# Altium PCB E17-15-Charge_Cart.PcbDoc
Units mil, origin at the board's own origin, x right, y up, seen from the top; angles counter-clockwise.
Board outline 3970 x 3255 mil, 2 copper layers (Top Layer, Bottom Layer); 54 components, 43 nets, 256 pads, 46 vias.
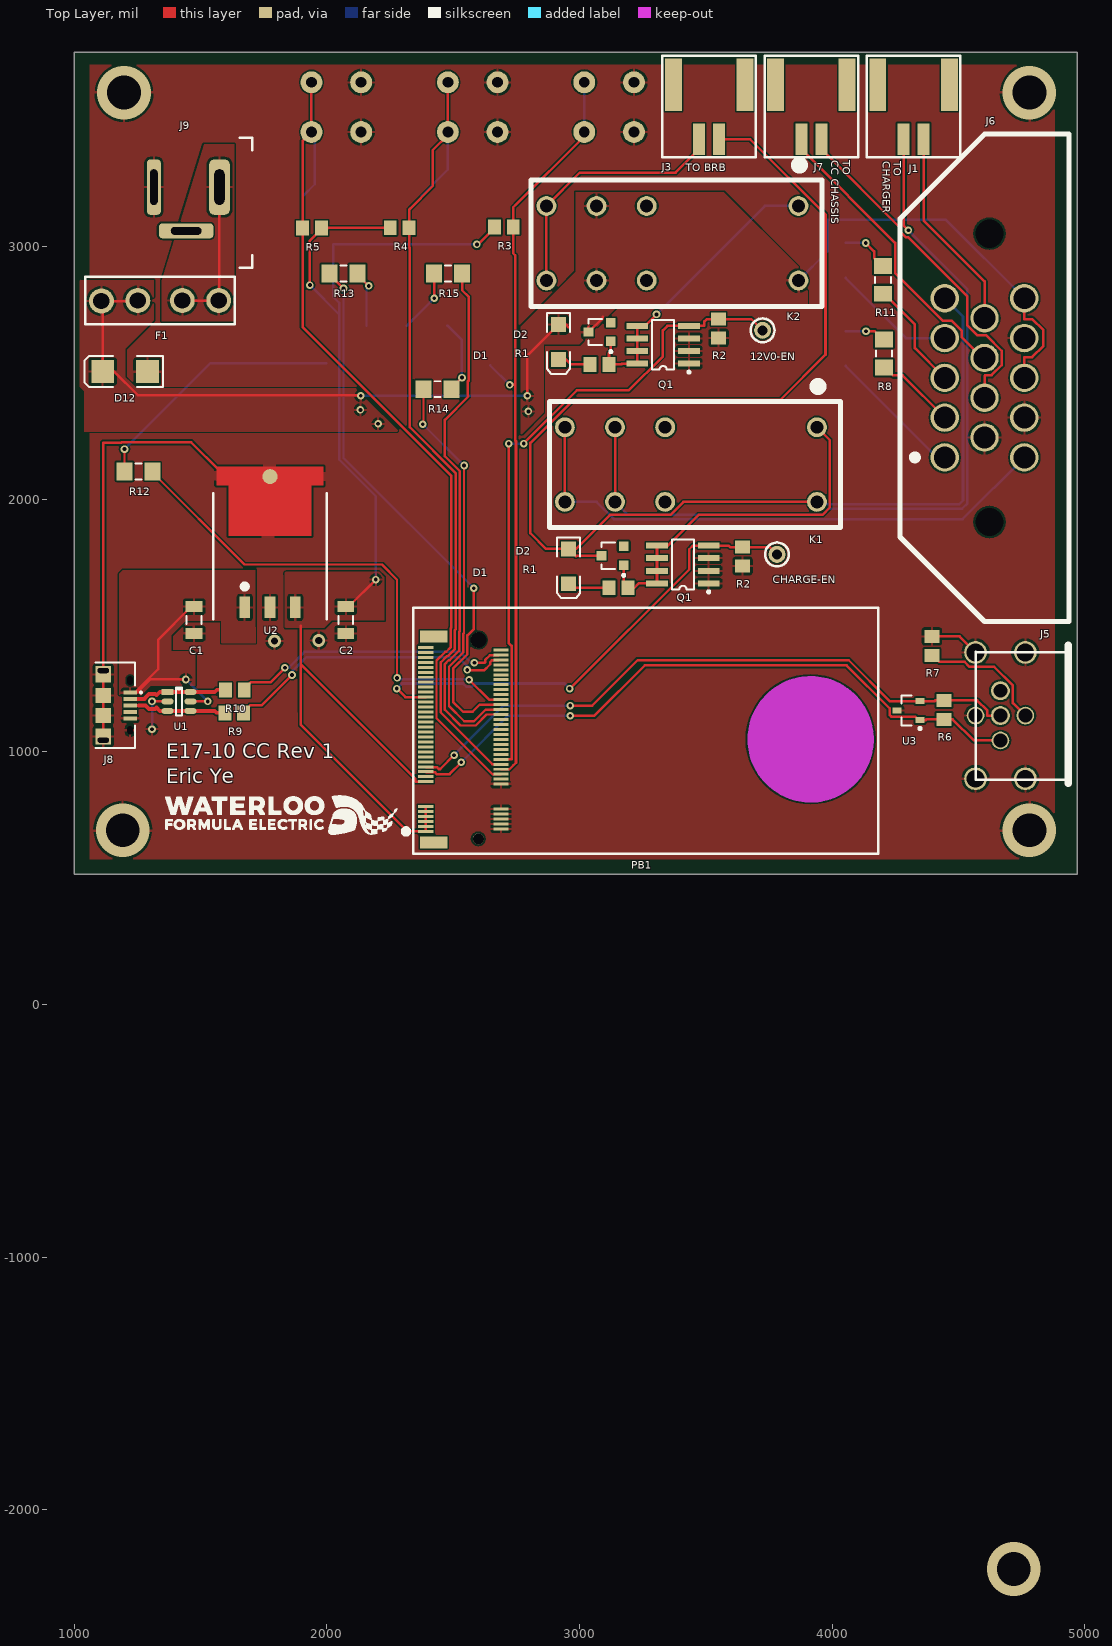
[diagram p0: Top Layer view]
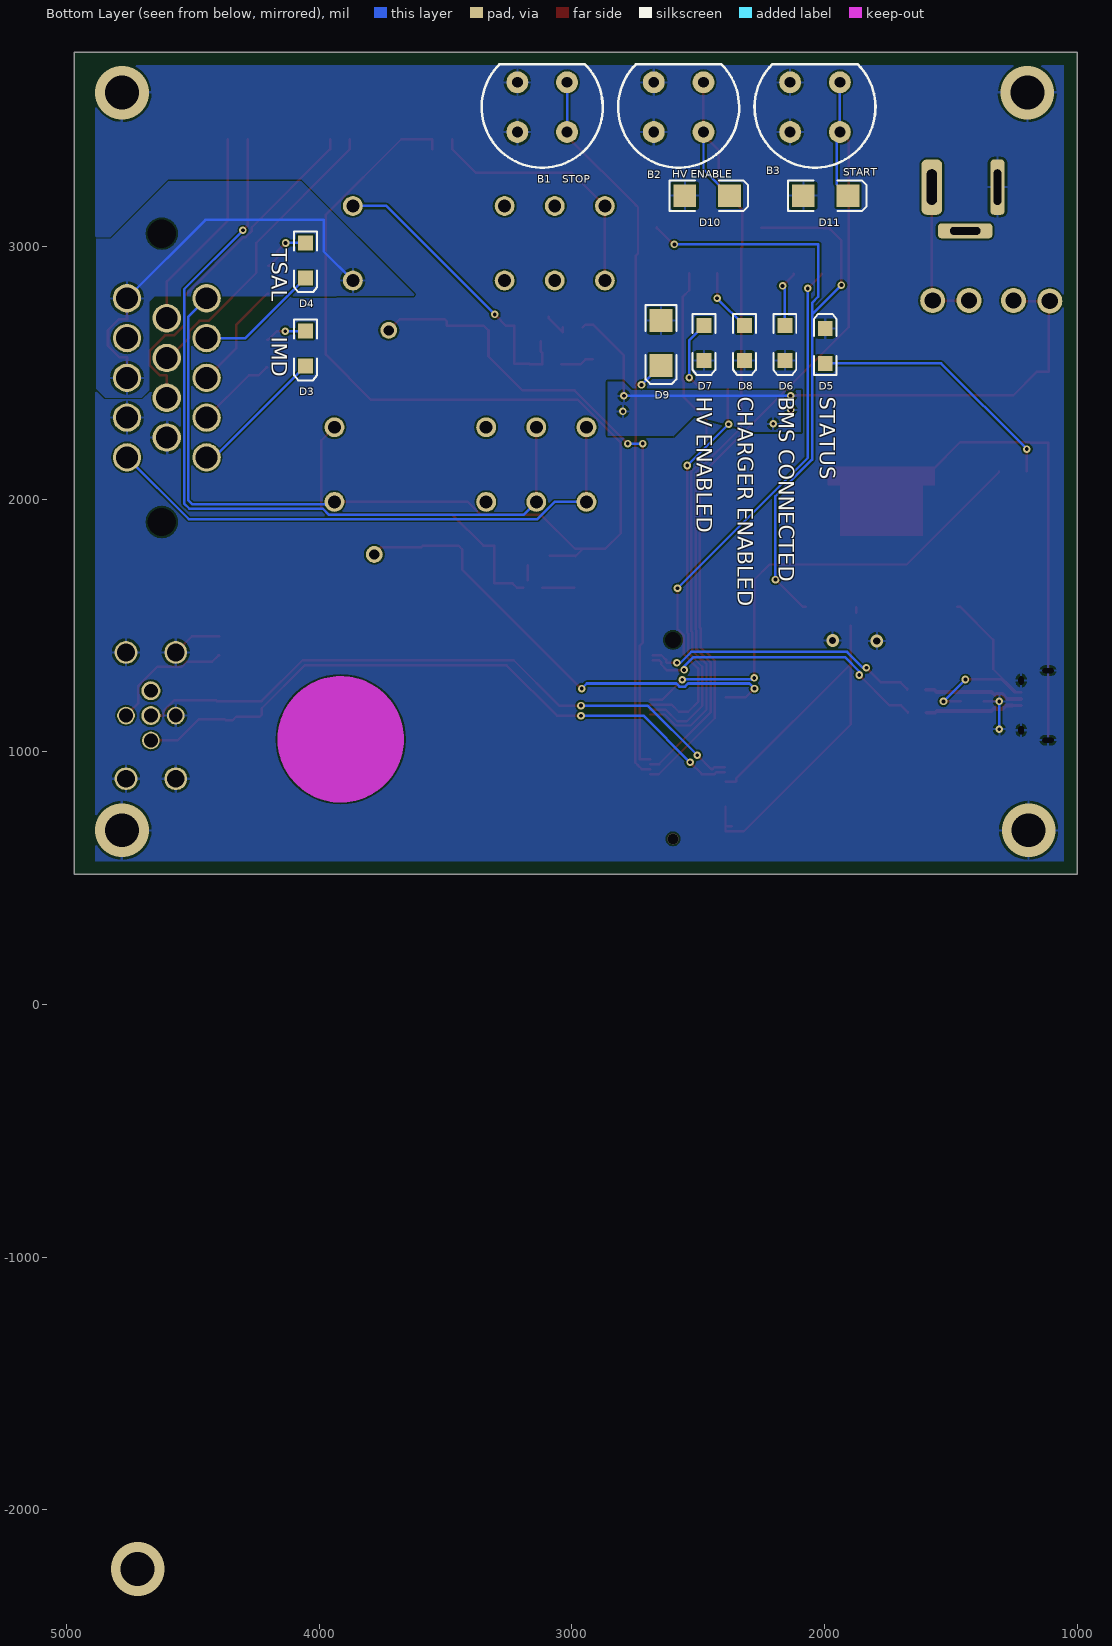
[diagram p1: Bottom Layer view, seen from below]
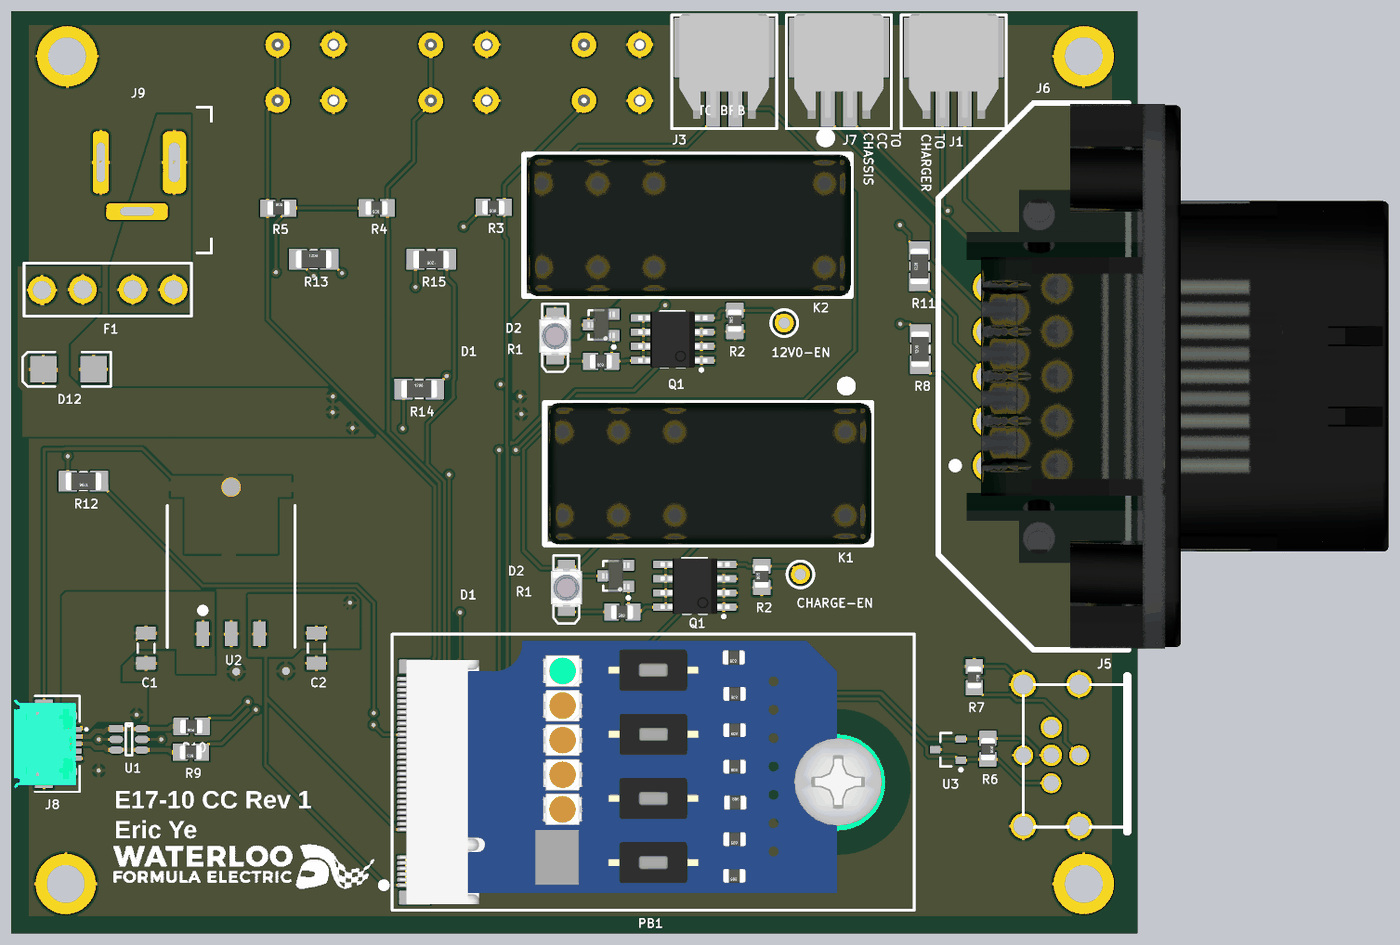
[diagram p2: 3D render of the assembled board from above, using the file's embedded part models]
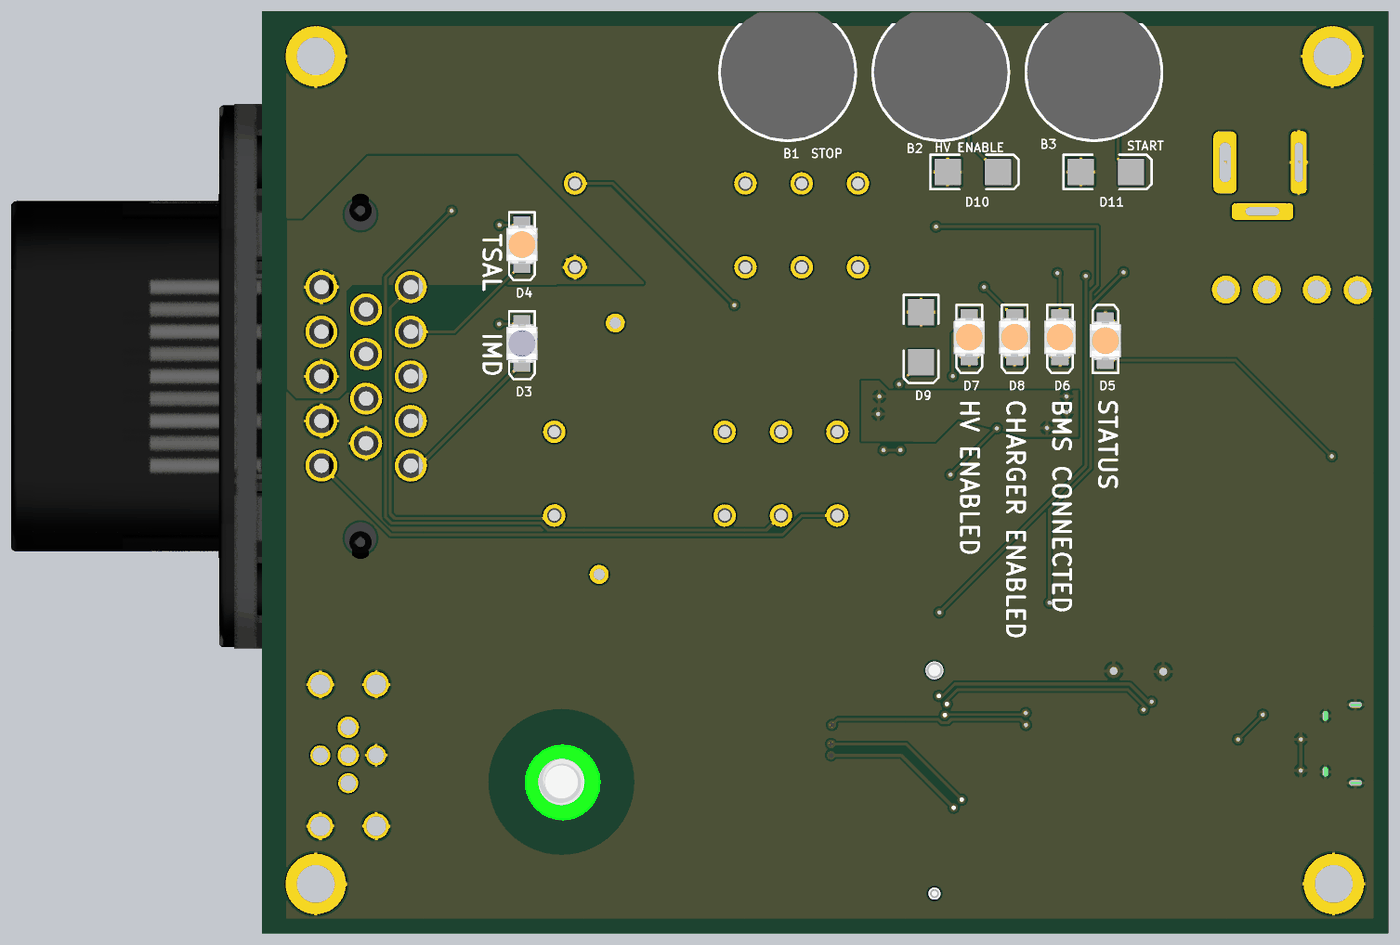
[diagram p3: 3D render of the assembled board from below, using the file's embedded part models]

## Layer stack, top to bottom
Top Solder: solder mask 0.4, Solder Resist, Dk 3.5
Top Layer: signal copper 1.4
Dielectric 1: dielectric 12.6, FR-4, Dk 4.8
Bottom Layer: signal copper 1.4
Bottom Solder: solder mask 0.4, Solder Resist, Dk 3.5

## Board outline
1000,515 4970,515 4970,3770 1000,3770

## Design rules (kind name [scope] priority, off if disabled: settings)
BoardOutlineClearance BoardOutlineClearance_1 [OnLayer('Bottom Layer')] p1: gap=10 ignorepadtopadclearanceinfootprint=FALSE except(0: Arc-SplitContinuation Track-SplitContinuation SMDPad-SplitContinuation THPad-SplitContinuation Via-SplitContinuation Fill-SplitContinuation Poly-SplitContinuation Region-SplitContinuation Text-SplitContinuation)
BoardOutlineClearance [OnLayer('Top Layer')] p2: gap=10 ignorepadtopadclearanceinfootprint=FALSE except(0: Arc-SplitContinuation Track-SplitContinuation SMDPad-SplitContinuation THPad-SplitContinuation Via-SplitContinuation Fill-SplitContinuation Poly-SplitContinuation Region-SplitContinuation Text-SplitContinuation)
Clearance [All] p1: gap=7 ignorepadtopadclearanceinfootprint=TRUE
ComponentClearance [All] p1: gap=39.37 collisioncheckmode=3 verticalgap=39.37 showdistances=FALSE
DiffPairsRouting [All] p1: maxlimit=10 minlimit=8 mostfreqgap=10 toplayer_minwidth=8 toplayer_maxwidth=15 toplayer_prefwidth=15 bottomlayer_minwidth=8 bottomlayer_maxwidth=15 bottomlayer_prefwidth=15 maxuncoupledlength=500
Height [All] p1: minheight=0 maxheight=3937.01 prefheight=500
HoleSize [All] p1: absolutevalues=TRUE maxlimit=393.7 minlimit=10 maxpercent=80.000 minpercent=20.000
HoleToHoleClearance [All] p1: gap=20 allowstackedmicrovias=TRUE
MinimumAnnularRing [All] p1: minimumring=7.5
MinimumSolderMaskSliver [All] p1: minsoldermaskwidth=3
PasteMaskExpansion [All] p1: expansion=1
PolygonConnect PolygonConnect_1 [All vs InNetClass('Power Nets')] p1: connectstyle=Relief reliefconductorwidth=10 reliefentries=4 polygonreliefangle="90 Angle" airgapwidth=10
PolygonConnect [All] p2: connectstyle=Relief reliefconductorwidth=10 reliefentries=4 polygonreliefangle="90 Angle" airgapwidth=10
RoutingTopology [All] p1: topology=Starburst
RoutingVias [All] p1: holewidth=15 width=30 viastyle="Through Hole" minholewidth=10 minwidth=25 maxholewidth=50 maxwidth=75
SMDEntry [All] p1: side=TRUE corner=TRUE anyangle=FALSE
SMDNeckDown [All] p1: percent=80.000
SMDToPlane [All] p1: distance=1000000
SilkToSilkClearance [All] p1: silktosilkclearance=3
SilkToSolderMaskClearance [IsPad] p1: minsilkscreentomaskgap=5 clearancetoexposedcopper=TRUE
SolderMaskExpansion [All] p1: expansion=4
Width [All] p1: maxlimit=100 minlimit=5 preferedwidth=8 minimp=50.000000 maximp=50.000000 favimp=50.000000
20 further rules are at their usual default settings.

## Classes and differential pairs
component class CH_SW: K1
component class CONN: C1 C2 D12 F1 J5 J6 J7 J8 J9 R6 R7 U1 U2 U3
component class "Human Interface": B1 B2 B3 D5 D6 D7 D8 D9 D10 D11 J3 R3 R4 R5 R12 R13 R14 R15
component class IMD_LED: D3 R8
component class MCU: PB1 R9 R10
component class SW1: CHARGE-EN D1 D2 Q1 R1 R2
component class SW2: 12V0-EN D1 D2 Q1 R1 R2
component class TSAL_LED: D4 R11
component class U_E17-15-POWER-DIST: K2
channel class E17-04-INDUCTIVE_LOAD_SWITCH: SW1 SW2
differential pair USB_R: +USB_R_P -USB_R_N
differential pair CAN: +CAN_P -CAN_N
differential pair USB: +USB_P -USB_N

## Components (designator, comment, footprint, x,y, rotation, side; value= is the part's Value field where it differs from the comment)
12V0-EN "Test Point" "TEST POINT 5000K" 3725,2669 r90 top (schematic designator CONTROL1)
B1 "MomentaryButton" MomentaryButton 3117.43,3552.58 r0 bottom
B2 "MomentaryButton" MomentaryButton 2577.42,3552.58 r0 bottom
B3 "MomentaryButton" MomentaryButton 2037.58,3552.58 r0 bottom
C1 "Cap Semi" C1206 1475,1521.85 r90 top value=470nF
C2 "Cap Semi" C1206 2075,1521.85 r90 top value=33uF
CHARGE-EN "Test Point" "TEST POINT 5000K" 3782,1782 r90 top (schematic designator CONTROL1)
D1 "OVS5MBBCR4" OVS5MBBCR4 2957,1734.9 r270 top
D1 "OVS5MBBCR4" OVS5MBBCR4 2917,2622.9 r270 top
D2 "PMEG4010ET" SOT23-3 3131,1777 r90 top
D2 "PMEG4010ET" SOT23-3 3079.71,2662.4 r90 top
D3 "OVS5MBBCR4" OVS5MBBCR4 4054,2596.9 r270 bottom
D4 "OVS5MABCR4" OVS5MABCR4 4054,2945.9 r270 bottom
D5 "OVS5MABCR4" OVS5MABCR4 1997,2607.09 r90 bottom
D6 "OVS5MABCR4" OVS5MABCR4 2157.04,2618.9 r270 bottom
D7 "OVS5MABCR4" OVS5MABCR4 2477.12,2618.9 r270 bottom
D8 "OVS5MABCR4" OVS5MABCR4 2317.08,2618.9 r270 bottom
D9 "LNBTVS3-220U" DO-214-AA 2647,2618.9 r270 bottom
D10 "LNBTVS3-220U" DO-214-AA 2464.42,3202 r180 bottom
D11 "LNBTVS3-220U" DO-214-AA 1995.42,3202 r180 bottom
D12 "SS24T3G" DO-214-AA 1201.42,2506 r180 top
F1 "BK-6013" BK-6013 1339.91,2787 r180 top
J1 "J_5023520200" MOLEX_DURACLIK_2 4322.63,3425.46 r0 top
J3 "J_5023520200" MOLEX_DURACLIK_2 3513.27,3425.46 r0 top
J5 "MOLEX 84864-9003" "MOLEX 84864-9003" 4666.5,1144 r270 top
J6 "TE-776267-1" TE-776267-1 4446.04,2166 r90 top
J7 "J_5023520200" MOLEX_DURACLIK_2 3917.95,3425.46 r0 top
J8 "10118194-0001LF" 10118194-0001LF 1221.3,1184.37 r270 top
J9 "" EJ805A 1315.16,3236 r270 top
K1 "" TE-7-1393243-5 3940,1990 r180 top
K2 "" TE-7-1393243-5 3867,2866 r180 top
PB1 "ProcBoardRev2" PROC_BOARD 3081.03,685.51 r90 top
Q1 "DMS3015SSS" SOIC-8-150 3409.36,1742 r90 top
Q1 "DMS3015SSS" SOIC-8-150 3331,2612 r90 top
R1 "Res" 2012[0805] 3154.4,1650 r180 top value=1K
R1 "Res" 2012[0805] 3079.6,2534 r180 top value=1K
R2 "Res" 2012[0805] 3646,1773.4 r90 top value=10K
R2 "Res" 2012[0805] 3551,2676.4 r90 top value=10K
R3 "Res" 2012[0805] 2700.6,3078 r180 top value=1K
R4 "Res" 2012[0805] 2288.6,3075 r180 top value=1K
R5 "Res" 2012[0805] 1941.4,3074 r0 top value=1K
R6 "Res" 2012[0805] 4443,1166.6 r270 top value=1K
R7 "Res" 2012[0805] 4395,1420 r270 top value=0
R8 "Res" 3216[1206] 4205,2577.12 r90 top value=1K
R9 "Res" 2012[0805] 1633.6,1155 r180 top value=18
R10 "Res" 2012[0805] 1635.6,1246 r180 top value=18
R11 "Res" 3216[1206] 4202,2869.12 r90 top value=1K
R12 "Res" 3216[1206] 1254.12,2111 r180 top value=1K
R13 "Res" 3216[1206] 2065.88,2894 r0 top value=1K
R14 "Res" 3216[1206] 2438,2436 r0 top value=1K
R15 "Res" 3216[1206] 2480.12,2894 r180 top value=1K
U1 "" SOP6 1369.45,1237.4 r0 top
U2 "LM3940" TO-263-3 1775,2130 r270 top
U3 "PESD2CAN" SOT95P230X110-3N 4302.72,1163.6 r180 top

## Footprints (in the part's own frame and the unit in brackets; to place one, negate y for a bottom-side part, rotate by r counter-clockwise, add the part's x,y. Pads: shape width x height; smd on the part's side, far side on the other; paste and mask are expansions set on the pad)
2012[0805] [mm] "Chip Resistor; Body 2.0 x 1.3 mm (LxW typ)"
  rect 1.3x1.5 smd: 1(-0.95,0) 2(0.95,0)
  body extent -0.97,-0.61 1.03,0.64, height 0.77
3216[1206] [mm] "Chip Resistor; Body 3.2 x 1.6 mm (LxW typ)"
  rect 1.6x1.8 smd: 1(-1.4,0) 2(1.4,0)
  silkscreen extent -0.3,-0.8 0.3,0.8, body extent -1.6,-0.79 1.6,0.81, height 1
10118194-0001LF [mm] "CONN USB MICRO B RECPT SMT R/A"
  rect 0.4x1.35 smd: 1(-1.3,0) 2(-0.65,0) 3(0,0) 4(0.65,0) 5(1.3,0)
  round 0 hole 0.5 slot 1.15 at 90 deg: 5(-3.5,-2.7) 5(3.5,-2.7)
  rect 1.645x1.55 smd: 5(-3.123,-2.7) 5(3.122,-2.7)
  round 0 hole 0.55 slot 0.85 at 0 deg: 5(-2.5,0) 5(2.5,0)
  rect 1.5x1.55 smd: 5(-1,-2.7) 5(1,-2.7)
  silkscreen extent -4.3,-3.5 4.3,1.2, body extent -4.02,-5.4 4.03,0.18, height 2.68
BK-6013 [mm] "FUSE HOLDER BLADE PCB"
  round 2.5 hole 1.65: 1(-5.895,0) 2(-2.235,0) 3(2.235,0) 4(5.895,0.051)
  silkscreen extent -7.5,-2.37 7.5,2.37
C1206 [mm] "Chip Capacitor, Body 3.2x1.6mm, IPC High Density"
  rect 1.1x1.7 smd: 1(-1.35,0) 2(1.35,0)
  silkscreen extent -0.4,-0.75 0.4,0.75, body extent -1.7,-0.9 1.7,0.9, height 1.3
DO-214-AA [mm] "DO-214-AA/SMB; 2 C-Bend Leads; Body 5.3 x 3.6 mm, inc. leads (LxW)"
  rect 2.3x2.3 smd: 1(-2.25,0) 2(2.25,0)
  silkscreen extent -3.8,-1.55 4.1,1.55
EJ805A [mm] "CONN PWR JACK 2.1X5.5MM SOLDER"
  rrect50% 5.56x2.08 hole 1.02 slot 3.56 at 0 deg: 1(0,6.6)
  rrect50% 5.56x1.4 hole 0.76 slot 3.56 at 0 deg: 2(0,0)
  rrect50% 1.5x5.5 hole 0.76 slot 3.05 at 90 deg: 3(4.4,3.25)
  silkscreen extent -4.95,8.64 8.13,9.91, body extent -4.4,-7.49 7.37,9.27, height 10.85
"MOLEX 84864-9003" [mil]
  round 70 hole 55: 1(0,98.5) 3(0,-98.5) 4(98.5,0)
  round 75 hole 55: 2(-98.5,0) 5(0,0)
  round 90 hole 70: 6(250,98.5) 7(250,-98.5) 8(-250,98.5) 9(-250,-98.5)
  silkscreen extent -279,-99 268,268, body extent -299,-148 299,452, height 710
MOLEX_DURACLIK_2 [mm] "2 Positions Header, Shrouded Connector 0.079\" (2.00mm) Surface Mount, Right Angle Tin"
  rect 1.7x5.3 smd: 0(-3.6,5.48) 0(3.6,5.48)
  rect 1.2x3.2 smd: 1(-1,0) 2(1,0)
  silkscreen extent -4.7,-1.8 4.7,8.4, body extent -4,-0.89 4,8.51, height 6.38
MomentaryButton [mm]
  round 2.2 hole 1.1: 1(2.5,2.5) 2(2.5,-2.5) 3(-2.5,-2.5) 4(-2.5,2.5)
  silkscreen extent -6.08,-4.3 6.08,6.08, body extent -6,-5.4 6,6, height 14.3
OVS5MABCR4 [mm] "SMT LED; 2 Flat Leads; AMBER"
  rect 1.5x1.5 smd: 1(-1.75,0) 2(1.75,0)
  silkscreen extent -2.9,-1.15 3.2,1.15, body extent -1.75,-1.4 1.75,1.4, height 1.6
OVS5MBBCR4 [mm] "SMT LED; 2 Flat Leads; BLUE"
  rect 1.5x1.5 smd: 1(-1.75,0) 2(1.75,0)
  silkscreen extent -2.9,-1.15 3.2,1.15, body extent -1.75,-1.4 1.75,1.4, height 1.6
PROC_BOARD [mm]
  rect 1.2x2.75 smd: 0(-1.1,16.725) 0(19.6,16.725)
  round 1.1 hole 1.1 unplated paste+0: 0(-0.75,12.225)
  round 0 hole 6.35 unplated: 0(9.258,-21.183)
  round 1.524 hole 1.6 unplated: 0(19.25,12.225)
  rect 0.3x1.55 smd: 1(0,17.5) 2(0.25,9.95) 3(0.5,17.5) 4(0.75,9.95) 5(1,17.5) 6(1.25,9.95) 7(1.5,17.5) 8(1.75,9.95) 9(2,17.5) 10(2.25,9.95) 11(2.5,17.5) 12(4.75,9.95) 13(5,17.5) 14(5.25,9.95) 15(5.5,17.5) 16(5.75,9.95) 17(6,17.5) 18(6.25,9.95) 19(6.5,17.5) 20(6.75,9.95) 21(7,17.5) 22(7.25,9.95) 23(7.5,17.5) 24(7.75,9.95) 25(8,17.5) 26(8.25,9.95) 27(8.5,17.5) 28(8.75,9.95) 29(9,17.5) 30(9.25,9.95) 31(9.5,17.5) 32(9.75,9.95) 33(10,17.5) 34(10.25,9.95) 35(10.5,17.5) 36(10.75,9.95) 37(11,17.5) 38(11.25,9.95) 39(11.5,17.5) 40(11.75,9.95) 41(12,17.5) 42(12.25,9.95) 43(12.5,17.5) 44(12.75,9.95) 45(13,17.5) 46(13.25,9.95) 47(13.5,17.5) 48(13.75,9.95) 49(14,17.5) 50(14.25,9.95) 51(14.5,17.5) 52(14.75,9.95) 53(15,17.5) 54(15.25,9.95) 55(15.5,17.5) 56(15.75,9.95) 57(16,17.5) 58(16.25,9.95) 59(16.5,17.5) 60(16.75,9.95) 61(17,17.5) 62(17.25,9.95) 63(17.5,17.5) 64(17.75,9.95) 65(18,17.5) 66(18.25,9.95) 67(18.5,17.5)
  Keep-Out Layer circle w6.35: c9.258,-21.183 r3.175
  silkscreen extent -2.25,-28 22.5,19.75, body extent -1.7,-25.44 21.89,18.08, height 6.34
SOIC-8-150 [mm] "SOIC-8 150 mil package"
  rect 0.6x2.2 smd: 1(-1.905,-2.6) 2(-0.635,-2.6) 3(0.635,-2.6) 4(1.905,-2.6) 5(1.905,2.6) 6(0.635,2.6) 7(-0.635,2.6) 8(-1.905,2.6)
  silkscreen extent -2.88,-2.72 2.5,1.1, body extent -2.53,-3.12 2.47,3.08, height 1.72
SOP6 [mm]
  rect 1.2x0.6 smd: 1(0,0)
  oval 1.2x0.6 smd: 2(0,-0.95) 3(0,-1.9) 4(2.3,-1.9) 5(2.3,-0.95) 6(2.3,0)
  silkscreen extent 0.87,-2.37 1.43,0.48
SOT23-3 [mm] "SOT-23; 3 Leads; Body 3.0 x 2.5 mm, inc. leads (LxW max)"
  rect 0.95x1 smd: 1(-0.95,-1.125) 2(0.95,-1.125) 3(0,1.125)
  silkscreen extent -2.1,-1.25 1.32,1.12, body extent -1.52,-1.24 1.52,1.24, height 1.17
SOT95P230X110-3N [mm] "SOT23, 3-Leads, Body 2.90x2.30mm, Pitch 0.95mm, IPC Medium Density"
  rect 0.9x0.6 smd: 1(-1.15,0.95) 2(-1.15,-0.95) 3(1.15,0)
  silkscreen extent -1.28,-1.5 0.7,1.92, body extent -0.7,-1.5 0.7,1.5, height 1.1
TE-7-1393243-5 [mm] "RELAY GEN PURPOSE DPDT 8A 110V"
  round 2 hole 1.3: 1(0,-7.5) 2(15.26,-7.5) 3(20.3,-7.5) 4(25.34,-7.5) 5(25.34,0) 6(20.3,0) 7(15.26,0) 8(0,0)
  silkscreen extent -2.35,-11.7 26.9,2.6, body extent -2.35,-10.1 26.65,2.6, height 15.7
TE-776267-1 [mm] "CONN HEADER 14POS R/A TIN BLK"
  round 0 hole 2.85 unplated: 0(-6.5,-4.5) 0(22.5,-4.5)
  round 2.856 hole 2.2: 1(0,0) 2(4,0) 3(8,0) 4(12,0) 5(16,0) 6(2,-4) 7(6,-4) 8(10,-4) 9(14,-4) 10(0,-8) 11(4,-8) 12(8,-8) 13(12,-8) 14(16,-8)
  silkscreen extent -16.5,-12.5 32.5,4.5, body extent -16.4,-35.8 32.4,2, height 27.77
"TEST POINT 5000K" [mm] "Test Point, 5000 Keystone Series, 0.040\" Hole"
  round 1.7 hole 1.02 mask+0.1: 1(0,0)
  silkscreen extent -1.2,-1.2 1.2,1.2
TO-263-3 [mm] "TO-263 3 Pin Package"
  rect 2.16x1.07 smd: 1(14.17,-2.54) 2(14.17,0) 3(14.17,2.54)
  round 1.524 smd: 4(1.016,0)
  Top Layer region: 1.91,-4.165 6.99,-4.165 6.99,4.165 1.91,4.165
  Top Layer region: 0,-5.4 1.91,-5.4 1.91,5.4 0,5.4
  silkscreen extent 2.67,-5.71 15.37,5.72, body extent 0,-5.08 14.35,5.08, height 4.57

## Part data
12V0-EN CHARGE-EN: "5000-5004, 5015-5019 Keystone Electronics"
B1 B2 B3: DigiKey Part Number=401-1975-ND
C1 C2: "Capacitor (Semiconductor SIM Model)", LatestRevisionDate=29-May-2009, LatestRevisionNote="IPC-7351 Footprint Added.", PackageDescription="Chip Capacitor", PackageReference=C1206, Published=8-Jun-2000, Publisher="Altium Limited"
D1 D1 D3: "Typical BLUE LED", Colour=BLUE, PackageDocument=Feb-2002, Supplier Part Number 1=365-1544-1-ND, LatestRevisionDate=17-Jul-2002, LatestRevisionNote="Re-released for DXP Platform.", PackageReference=3.2X1.6X1.1, Published=8-Jun-2000, Publisher="Altium Limited", Supplier 1=Digi-Key
D2 D2: "SCHOTTKY RECT 40V 1A SOT-23", Supplier Part Number 1=568-4103-6-ND, Supplier 1=Digi-Key
D4 D5 D6 D7 D8: "Typical AMBER LED", Colour=AMBER, PackageDocument=Feb-2002, Supplier Part Number 1=365-1543-1-ND, LatestRevisionDate=17-Jul-2002, LatestRevisionNote="Re-released for DXP Platform.", PackageReference=3.2X1.6X1.1, Published=8-Jun-2000, Publisher="Altium Limited", Supplier 1=Digi-Key
D9 D10 D11: "TVS DIODE 20VWM 35VC SMB", Supplier Part Number 1=497-4991-1-ND, Supplier 1=Digi-Key
D12: "Schottky Diode", Supplier Part Number 1=SS24T3GOSCT-ND, Code_JEDEC=DO-214-AA, LatestRevisionDate=17-Jul-2002, LatestRevisionNote="Re-released for DXP Platform.", PackageReference=SMB, Published=8-Jun-2000, Publisher="Altium Limited", Supplier 1=Digi-Key
F1: "FUSE HOLDER BLADE PCB", Supplier Part Number 1=BK-6013-ND, Supplier 1=Digi-Key
J1 J3 J7: "MOLEX DURACLIK 2-PIN RA", Supplier Part Number 1=5023520201-ND, Digikey_PN=WM7169CT-ND, Supplier 1=Digi-Key, Supplier 2=Digi-Key, Supplier Part Number 2=WM7169DKR-ND
J5: "CAN Micro-Change M12, Right Angle, Male"
J6: "CONN HEADER 14POS R/A TIN BLK", Supplier Part Number 1=A105104-ND, Supplier 1=Digi-Key
J8: "CONN USB MICRO B RECPT SMT R/A", Supplier Part Number 1=609-4618-1-ND, Supplier 1=Digi-Key
J9: library part EJ508A, "CONN PWR JACK 2.1X5.5MM SOLDER"
K1 K2: library part TE-1393240-3, "RELAY GEN PURPOSE SPDT 16A 110V"
PB1: "Processor board that carries the STM32F072RB"
Q1 Q1: "N-Channel Power MOSFET", Supplier Part Number 1=DMS3015SSS-13DICT-ND, Supplier 1=Digi-Key
R1 R1 R2 R2 R3 R4 R5 R6 R7 R8 R9 R10 R11 R12 R13 R14 R15: "Surface Mount Resistor", LatestRevisionDate=17-Jul-2002, LatestRevisionNote="Re-released for DXP Platform.", PackageReference=AXIAL-0.5, Published=8-Jun-2000, Publisher="Altium Limited"
U1: library part USBL6-2

## Via types
v1: diameter 30, hole 15, Top Layer to Bottom Layer, tented both sides, 39 vias
v2: diameter 212.6, hole 133.86, Top Layer to Bottom Layer, 4 vias
v3: diameter 50, hole 28, Top Layer to Bottom Layer, tented both sides, 2 vias
v4: diameter 212.6, hole 133.86, Top Layer to Bottom Layer, tented both sides, 1 vias

## Nets (pads, with @x,y where several pads share a name; then routed paths per layer and width w, separated by ;. In a path a pad name is that pad's centre, name@x,y a point inside that pad or via, vN(x,y) a via of type N, cw(c..) or ccw(c..) an arc to the next point about the centre after c; other vN are vias at no path point)
3.3V: C2.2 PB1.1 PB1.3 PB1.5 PB1.7 PB1.9 PB1.11 PB1.13 R3.2 R4.2 R5.2 U2.3 | length 4806.4
  Top Layer w9.45: 1896.06,1156.9 1896.06,1108.94 2319.49,685.51 PB1.1 PB1.3@2392.06,699.29 ; PB1.13@2361.54,882.36 PB1.13 ; PB1.3@2367.45,705.2 PB1.3 PB1.5 PB1.7 PB1.9 PB1.11
  Top Layer w10: U2.3@1875,1550.67 U2.3 ; 1896.06,1156.9 1896.06,1347.85 ; 1896.06,1499.06 1896.06,1347.85 ; v1(1933,2848) 1933,3024.26 1978.8,3070.06 R5.2 2004.39,3074 2005.39,3075 R4.2 ; C2.2 2086.81,1575 v1(2194,1682.19) ; PB1.13@2361.54,882.36 2351.32,882.36 2349.54,884.14 2349.54,894.36 1896.06,1347.85 ; v1(2594.2,3009) 2598.13,3009 2663.2,3074.06 R3.2
  Bottom Layer w10: v1(1933,2848) 2049.28,2731.72 ; v1(2194,1682.19) 2194,2012.35 2049.28,2157.07 2049.28,2731.72 ; v1(2594.2,3009) 2025,3009 2025,2802 2049.28,2777.72 2049.28,2731.72
12V0: D1.1@2917,2691.8 D2.3@3035.42,2662.4 D12.2 F1.3 F1.4 J6.12 J6.14 K2.3 K2.6 K2.8 | length 4236.5
  Top Layer w10: F1.3 1249.92,2785 F1.4 1112.83,2779.99 D12.2 1158.11,2506 1252.11,2412 2132,2412 v1(2134,2410) ; v1(2794,2410) 2794,2568.8 2917,2691.8 2946.53,2691.8 2957.22,2681.1 ; 3035.42,2681.1 3035.42,2662.4 3036.4,2662.4 3092.31,2718.31 3092.31,2723.48 ; J6.12 4761,2563.23 4792.15,2563.23 4836.21,2607.29 4836.21,2669.59 4792.15,2713.65 4761,2713.65 J6.14
  Bottom Layer w10: v1(2134,2410) v1(2794,2410) ; K2.8 3983,2982 3983,3106 4450.92,3106 J6.14
  other v1: 2203,2299 2798,2348 2133,2354
CAN_N: J5.5 PB1.19 R6.1 U3.2 | length 2558.4
  Top Layer w10: PB1.19@2394,939.95 2435.82,939.95 2443.17,932.61 2449.04,932.61 v1(2503.72,987.28) ; v1(2964,1183.6) 3050.72,1183.6 3230.12,1363 4066,1363 4228,1201 U3.2 4405.47,1201 4408.47,1204 R6.1 4574.47,1204 4615,1163.47 4615,1144 J5.5
  Bottom Layer w10: v1(2503.72,987.28) 2700.03,1183.6 v1(2964,1183.6)
CAN_P: J5.4 PB1.17 R6.2 U3.1 | length 2594.9
  Top Layer w10: PB1.17@2394,919.95 2427.54,919.95 2434.88,912.61 2485.61,912.61 v1(2532,959) ; v1(2964,1143.6) 3059,1143.6 3258.4,1343 4057.72,1343 4227.73,1172.98 4227.73,1146.82 4234.76,1139.79 4328.5,1139.79 4342.09,1126.2 U3.1 4370.72,1126.2 4373.72,1129.2 R6.2 4477.53,1129.2 4561.22,1045.5 J5.4
  Bottom Layer w10: v1(2532,959) 2716.6,1143.6 v1(2964,1143.6)
GND: B1.1 B1.2 B2.1 B2.2 B3.1 B3.2 C1.1 C2.1 D5.2 D6.2 D7.2 D8.2 D9.1 D10.1 D11.1 D12.1 J5.3 J5.6 J5.7 J5.8 J5.9 J6.6 J6.11 J6.13 J8.5 J9.2 PB1.2 PB1.4 PB1.6 PB1.8 PB1.10 PB1.12 Q1.1 Q1.2 Q1.3 R2.1 R7.1 U1.2 U2.2 U2.4 U3.3 | length 2043.3
  Top Layer w10: J8.5@1115,1061.44 1115,1145 1115,1223.74 1115,1307.3 1115,1322.17 1115,2224 1185.82,2224 1187.82,2226 1463,2226 1577,2112 ; v1(1308,1200) U1.2 ; R7.1 4504.6,1457.4 J5.9
  Bottom Layer w10: v1(1308,1090) v1(1308,1200)
  other v2: 1192,690 4781,690 1197,3610 4781,3610
  other v3: 1793,1439 1968,1441.3
IMD-LED+: J6.2 R8.1 | length 323.3
  Top Layer w10: R8.1 4208.94,2522 4240.43,2490.5 4279.01,2490.5 J6.2
IMD-LED-: D3.2 J6.1 | length 542
  Bottom Layer w10: D3.2 4416,2166 J6.1
IMD-SENSE-A: J6.8 J7.1 | length 1191.4
  Top Layer w10: J7.1 3878.58,3386.09 4249.43,3015.24 4249.43,2896.06 4438.84,2706.65 4474.29,2706.65 4514.25,2666.7 4514.25,2641.14 4595.69,2559.7 J6.8
IMD-SENSE-B: J6.7 J7.2 | length 1388.8
  Top Layer w10: J7.2 3957.32,3386.09 4266.26,3077.15 4266.26,3062.56 4290.82,3038 4300.43,3038 4535.31,2803.12 4535.31,2688.93 4575.26,2648.97 4610.72,2648.97 4671.73,2587.95 4671.73,2531.45 4631.77,2491.49 4606.22,2491.49 4603.52,2488.79 J6.7
NetB1_3: B1.3 B1.4 D9.2 PB1.18 R3.1 | length 2982.1
  Top Layer w9.45: PB1.18 2723,931.58 2738,946.57 ; 2746.73,2965 2738,2973.73 R3.1 2738,3156 2746.73,3164.73
  Top Layer w10: v1(2724.32,2453) 2746.73,2453 ; 2738,946.57 2748.81,957.39 2748.81,2230 2746.73,2232.08 2746.73,2453 ; 2746.73,2965 2746.73,2453 ; 2746.73,3164.73 B1.4@3019,3437
  Bottom Layer w10: D9.2 v1(2724.32,2453) ; B1.4 B1.3@3019,3633.85
NetB2_3: B2.3 B2.4 D10.2 PB1.20 R4.1 | length 3256.5
  Top Layer w9.45: 2328.72,3149 2328.72,3149.72 2419.28,3240.28 2419.28,3291 ; 2506.89,1420.45 2506.89,1407.24 2479.55,1379.9 2475.84,1379.9 2450.74,1354.8 2450.74,1156.51 2653.93,953.32 2653.93,951.26 PB1.20
  Top Layer w10: 2328.72,3149 2326,3146.28 R4.1 2326,2997.72 2328.72,2995 2328.72,2285.28 2510,2104 2510,1484.95 2506.89,1481.84 2506.89,1420.45 ; 2419.28,3291 2419.28,3382.43 2479,3442.15 B2.4 B2.3@2479,3639
  Bottom Layer w9.45: D10.2 2479,3305.16 B2.4@2479,3442.15
NetB3_3: B3.3 B3.4 D11.2 PB1.16 R5.1 | length 3622.2
  Top Layer w9.45: 2472.62,1396.62 2469.3,1396.62 2434.29,1361.61 2434.29,1133.59 2655.99,911.89 PB1.16
  Top Layer w10: B3.3 B3.4 1904,3419 R5.1 1904,2682 2493,2093 2493,1492 2489.89,1488.89 2489.89,1413.89 2472.62,1396.62
  Bottom Layer w10: D11.2 1952.11,3247.28 1952.11,3441.19 B3.4 B3.3
NetCONTROL1_SW1_1: CHARGE-EN.1 PB1.47 Q1.4@3511.72,1817 R2.2@3646,1810.8 | length 1956.6
  Top Layer w9.45: PB1.47@2361.54,1217.01 PB1.47
  Top Layer w10: v1(2277,1251) 2310.99,1217.01 PB1.47@2361.54,1217.01 ; v1(2961,1251) 2963.09,1251 3434.54,1722.46 3434.54,1802.54 3449,1817 3511.72,1817 3590,1817 3596.2,1810.8 3646,1810.8 3753.2,1810.8 CHARGE-EN.1
  Bottom Layer w10: v1(2277,1251) 2297.01,1271.01 2539.81,1271.01 2551.91,1258.91 2574.28,1258.91 2586.38,1271.01 2940.99,1271.01 v1(2961,1251)
NetCONTROL1_SW2_1: 12V0-EN.1 PB1.22 Q1.4@3433.36,2687 R2.2@3551,2713.8 | length 2595.9
  Top Layer w9.45: PB1.22 2732.03,970.95 2731.81,971.17 2731.81,979.76
  Top Layer w10: v1(2719.81,2220.81) 2719.81,1431.88 2731.81,1419.88 2731.81,979.76 ; v1(2779.19,2220.81) 2989.38,2431 3194.73,2431 3330,2566.27 3330,2669 3348,2687 3433.36,2687 3494.67,2687 3494.67,2704.3 3504.17,2713.8 3551,2713.8 3680.2,2713.8 12V0-EN.1
  Bottom Layer w10: v1(2719.81,2220.81) v1(2779.19,2220.81)
NetD1_SW1_2: D1.2@2957,1666 R1.2@3117,1650 | length 127
  Top Layer w10: 2990,1650 R1.2@3117,1650
NetD1_SW2_2: D1.2@2917,2554 R1.2@3042.2,2534 | length 133.5
  Top Layer w10: D1.2@2917,2554 2946.53,2554 2966.53,2534 R1.2@3042.2,2534
NetD2_SW1_1: D2.1@3175.29,1739.6 K1.1 Q1.5@3307,1817 Q1.6@3307,1767 Q1.7@3307,1717 Q1.8@3307,1667 R1.1@3191.8,1650 | length 1416.6
  Top Layer w10: 3175.29,1680.29 D2.1@3175.29,1739.6 ; R1.1@3191.8,1650 3217.39,1650 3234.39,1667 3307,1667 3307,1717 3307,1767 3307,1817 3350.31,1817 3471.94,1938.63 3961.28,1938.63 3991.37,1968.72 3991.37,2233.91 K1.1
NetD2_SW2_1: D2.1@3124,2625 K2.1 Q1.5@3228.64,2687 Q1.6@3228.64,2637 Q1.7@3228.64,2587 Q1.8@3228.64,2537 R1.1@3117,2534 | length 1191.6
  Top Layer w10: D2.1@3124,2625 3124,2586 3117,2579 3117,2534 3166,2534 3169,2537 3228.64,2537 3228.64,2587 3228.64,2637 3228.64,2687 3260.13,2687 v1(3305.13,2732)
  Bottom Layer w10: v1(3305.13,2732) 3734.41,3161.28 K2.1
NetD3_1: D3.1 R8.2 | length 164.9
  Top Layer w10: v1(4134.2,2665.8) 4167.5,2665.8 4201.06,2632.24 R8.2
  Bottom Layer w10: D3.1 v1(4134.2,2665.8)
NetD4_1: D4.1 R11.2 | length 200.6
  Top Layer w10: v1(4133.2,3014.8) 4166.57,2981.43 4166.57,2955.73 4198.06,2924.24 R11.2
  Bottom Layer w10: D4.1 v1(4133.2,3014.8)
NetD5_1: D5.1 R12.2 | length 1026.5
  Top Layer w9.45: R12.2 v1(1199,2199)
  Bottom Layer w9.45: v1(1199,2199) 1538.19,2538.19 D5.1
NetD6_1: D6.1 R13.2 | length 228.6
  Top Layer w9.45: R13.2 2121,2890.06 v1(2166,2845.06)
  Bottom Layer w9.45: D6.1 2157.04,2836.11 v1(2166,2845.06)
NetD7_1: D7.1 R14.2 | length 293.1
  Top Layer w10: R14.2 2493.12,2439.94 v1(2535,2481.82)
  Bottom Layer w10: D7.1 2535,2629.92 v1(2535,2481.82)
NetD8_1: D8.1 R15.2 | length 250.9
  Top Layer w10: v1(2425,2795.71) R15.2
  Bottom Layer w10: D8.1 v1(2425,2795.71)
NetF1_1: F1.1 F1.2 J9.1 | length 594.3
  Top Layer w10: F1.2 F1.1 1575,2790 J9.1
NetJ1_1: J1.1 K1.3 K1.6 | length 3275.9
  Top Layer w10: K1.6 K1.3 ; J1.1 4283.26,3083.74 v1(4302,3065)
  Bottom Layer w10: K1.6 3192.16,1938.63 3961.28,1938.63 3985.4,1962.75 4514.29,1962.75 4535.31,1983.76 4535.31,2831.69 v1(4302,3065)
NetJ1_2: J1.2 J6.9 | length 808.3
  Top Layer w10: J1.2 4362,3104 4603.52,2862.48 J6.9
NetJ5_1: J5.1 R7.2 | length 509.8
  Top Layer w10: R7.2 4398.94,1382.6 4424.53,1357.01 4524.38,1357.01 4544.39,1337 4642,1337 4716,1263 4716,1193 J5.1
NetJ6_10: J6.10 K1.4 K1.5 | length 2243.5
  Top Layer w10: K1.5 K1.4
  Bottom Layer w10: K1.5 3068.14,1990 3136.51,1921.63 4516.63,1921.63 J6.10
NetPB1_40: PB1.40 R15.1 | length 2096.1
  Top Layer w9.45: 2560,2407.33 2467.19,2314.52 2467.19,2170.46 2526.72,2110.93 2526.72,1478.03 2523.61,1474.92 2523.61,1400.7 2486.36,1363.45 2482.65,1363.45 2467.19,1347.98 2467.19,1167.32 2529.68,1104.83 2589.36,1104.83 2632.64,1148.11 PB1.40
  Top Layer w10: R15.1 2535.24,2827.76 2562,2801 2562,2470.64 2558,2466.64 2558,2409.33 2560,2407.33
NetPB1_42: PB1.42 R14.1 | length 1597.8
  Top Layer w9.45: v1(2379.76,2297.24) 2382.88,2300.35 R14.1 ; v1(2543.17,2133.83) 2543.17,1471.21 2540.06,1468.1 2540.06,1393.89 2483.64,1337.46 2483.64,1181.87 2544.23,1121.28 2582.55,1121.28 2629.07,1167.8 PB1.42
  Bottom Layer w9.45: v1(2379.76,2297.24) v1(2543.17,2133.83)
NetPB1_44: PB1.44 R13.1 | length 2183.2
  Top Layer w9.45: R13.1 2010.76,2890.06 v1(2066,2834.83) ; v1(2582,1648) 2582,1486.78 2556.51,1461.29 2556.51,1387.07 2500.09,1330.65 2500.09,1198.32 2539,1159.41 2577,1159.41 2605.07,1187.48 PB1.44
  Bottom Layer w9.45: v1(2066,2834.83) 2066,2164 v1(2582,1648)
NetPB1_46: PB1.46 R12.1 | length 1986.1
  Top Layer w9.45: R12.1 1309.24,2107.06 1674.3,1742 2218,1742 2278,1682 v1(2278,1293) ; v1(2563.09,1285.91) 2641.83,1207.17 PB1.46
  Bottom Layer w9.45: v1(2278,1293) 2285.09,1285.91 2288.25,1285.91 2290.08,1287.73 2561.27,1287.73 v1(2563.09,1285.91)
SAFETY-LOOP-0: J3.1 K2.4 K2.5 | length 1032.3
  Top Layer w10: K2.5 K2.4 3001.09,3293 3380.81,3293 3473.9,3386.09 J3.1
SAFETY-LOOP-1: D1.1@2957,1803.8 D2.3@3086.71,1777 J3.2 J6.5 K1.8 | length 5607.5
  Top Layer w10: D2.3@3086.71,1777 2989.26,1777 2986.53,1774.27 D1.1@2957,1803.8 ; J3.2@3552.64,3386.09 J3.2 3675.46,3425.46 3974,3126.92 3974,2573 3795,2394 2976.42,2394 2806.19,2223.77 2806.19,1865.81 2868.2,1803.8 D1.1@2957,1803.8 ; K1.8 3411.86,1990 3360.49,1938.63 3121.36,1938.63 2986.53,1803.8 D1.1@2957,1803.8
  Bottom Layer w10: K1.8 3950.25,1979.75 4502,1979.75 4518.31,1996.06 4518.31,2723.65 J6.5
TSAL-LED+: J6.3 R11.1 | length 436.4
  Top Layer w10: R11.1 4205.94,2814 4327.94,2692 4327.94,2599.06 J6.3
TSAL-LED-: D4.2 J6.4 | length 490.9
  Bottom Layer w10: D4.2 4292.56,2638.44 J6.4
USB_N: J8.2 R10.2 U1.1 U1.6 | length 397.4
  Top Layer w15: J8.2 1278.5,1209.96 1278.5,1212.22 1295.78,1229.5 1320.22,1229.5 1325.32,1224.4 1338.33,1237.4 U1.1 U1.6 1556.51,1237.4 1565.11,1246 R10.2
USB_P: J8.3 R9.2 U1.3 U1.4 | length 391.3
  Top Layer w12.6: J8.3 1255.37,1184.37
  Top Layer w15: 1255.37,1184.37 1281.91,1184.37 1295.78,1170.5 1320.22,1170.5 1325.32,1175.6 1338.33,1162.6 U1.3 U1.4 1555.51,1162.6 1563.11,1155 R9.2
USB_R_N: PB1.64 R10.1 | length 1107
  Top Layer w10: R10.1 1673,1249.94 1698.59,1275.53 1776.53,1275.53 v1(1834,1333) ; v1(2584.21,1353.21) 2624.48,1353.21 2626.79,1355.52 2626.79,1364.12 2645.53,1382.87 PB1.64@2679,1382.87
  Bottom Layer w10: v1(1834,1333) 1848.14,1333 1910.93,1395.79 2527.5,1395.79 2572.14,1351.14 2582.14,1351.14 v1(2584.21,1353.21)
USB_R_P: PB1.62 R9.1 | length 1163.3
  Top Layer w10: R9.1 1671,1158.94 1696.59,1184.53 1742.1,1184.53 v1(1862.28,1304.72) ; v1(2555.93,1324.93) 2557.64,1323.21 2622.76,1323.21 2646.79,1347.24 2646.79,1355.84 2653.82,1362.87 PB1.62@2679,1362.87
  Bottom Layer w10: v1(1862.28,1304.72) 1862.28,1318.86 1919.21,1375.79 2519.21,1375.79 2558,1337 2558,1327 v1(2555.93,1324.93)
V_CAN: J5.2
VUSB: C1.2 J8.1 U1.5 U2.1 | length 877.8
  Top Layer w10: J8.1 J8.1@1240,1235.55 ; v1(1442,1287) 1299.32,1287 1247.87,1235.55 J8.1@1240,1235.55 ; U1.5 v1(1529,1200) ; C1.2 1463.19,1575 1332,1443.81 1332,1327.55 J8.1@1240,1235.55
  Bottom Layer w10: v1(1442,1287) v1(1529,1200)
pads on no net: D2.2 J1.0 J3.0 J6.0 J7.0 J8.4 J9.3 K1.2 K1.7 K2.2 K2.7 PB1.0 PB1.14 PB1.15 PB1.21 PB1.23 PB1.24 PB1.25 PB1.26 PB1.27 PB1.28 PB1.29 PB1.30 PB1.31 PB1.32 PB1.33 PB1.34 PB1.35 PB1.36 PB1.37 PB1.38 PB1.39 PB1.41 PB1.43 PB1.45 PB1.48 PB1.49 PB1.50 PB1.51 PB1.52 PB1.53 PB1.54 PB1.55 PB1.56 PB1.57 PB1.58 PB1.59 PB1.60 PB1.61 PB1.63 PB1.65 PB1.66 PB1.67
copper on no net:
  other v4: 4719,-2234

## Polygon pours and split planes (outlines as drawn)
12V0 on Bottom Layer "Bottom 12V0" (solid, remove dead copper, pour order 12): 4703,2403 4848,2403 4882,2437 4882,3031 4825,3031 4597,3259 4072,3259 3622,2809 3622,2806 3931,2806 3933,2804 4651,2804 4672,2783 4672,2432
12V0 on Bottom Layer "Bottom 12V0 Switches" (solid, remove dead copper, pour order 14): 2859,2252 2858,2253 2858,2466 2797,2466 2762,2431 2093,2431 2093,2267 2279,2267 2517,2331 2598,2250
GND on Bottom Layer "Bottom GND" (solid, remove dead copper, pour order 18): 1052.5,3717.5 1052.5,567.5 4886,567.5 4886,3717.5
GND on Top Layer "Top GND pad2" (solid, remove dead copper, pour order 26): 1742,1885.32 1792,1885.32 1792,1796.32 1742,1796.32
GND on Top Layer "Top GND pad2" (solid, remove dead copper, pour order 24): 1748,2200 1798,2200 1798,2111 1748,2111
GND on Top Layer "Top GND pad1" (solid, remove dead copper, pour order 22): 1967.71,2108 2070.71,2108 2070.71,2074 2071.71,2073 1968.71,2073
GND on Top Layer "Top GND pad1" (solid, remove dead copper, pour order 20): 1488.21,2111 1591.21,2111 1591.21,2077 1592.21,2076 1489.21,2076
GND on Top Layer "Top GND" (solid, remove dead copper, pour order 16): 1061,3720 1061,576 4881,576 4881,3720
12V0 on Top Layer "Top 12V0 Switches" (solid, remove dead copper, pour order 8): 3571.5,3216.5 3903,2885 3903,2768 3155,2768 3000,2613 2858,2613 2858,2344 2767,2253 2767,2375 2767,2684 2984.46,2901.46 2984.46,3216.5 3158,3216.5
12V0 on Top Layer "Top 12V0 Past Fuse" (solid, remove dead copper, pour order 10): 1037,2576 1039,2574 1039,2268 2283,2268 2284,2269 2114,2439 1247,2439 1176,2510 1176,2577
12V0 on Top Layer "Top 12V0" (solid, remove dead copper, pour order 6): 1315,2868 1315,2708 1203,2596 1203,2430 1037,2430 1022,2445 1022,2869
NetF1_1 on Top Layer "Top 12V0_R" (solid, remove dead copper, pour order 4): 1347,2865 1347,2704 1348,2705 1633,2705 1633,3405 1514,3405
3.3V on Top Layer "Top 3V3" (solid, remove dead copper, pour order 2): 1834,1694 1834,1494 1837,1491 1990,1491 2020,1521 2228,1521 2228,1692 2207,1713 1833,1713
VUSB on Top Layer "Top VUSB" (solid, remove dead copper, pour order 0): 1718,1493 1717,1494 1717,1720 1193,1720 1178,1705 1178,1222 1263,1222 1303,1262 1479,1262 1479,1389 1470,1398 1385,1398 1385,1462 1446,1523 1450,1519 1583,1519 1583,1429 1585,1431 1718,1431

## Silkscreen, mask and mechanical layers (free items; w line width, h text height)
Top Overlay:
  drawing of 1116 lines, arcs and shapes, not listed
  text "TO / CC CHASSIS" at 3997,3343 h30 r270
  text "TO / CHARGER" at 4200,3338 h30 r270
  text "TO BRB" at 3420,3298 h30
  text "E17-10 CC Rev 1 / Eric Ye" at 1365,856 h100
Bottom Overlay:
  text "START" at 1925,3280 h30
  text "HV ENABLE" at 2603,3274 h30
  text "STOP" at 3039,3253 h30
  text "TSAL" at 4189,2991 h60 r90
  text "IMD" at 4189,2643 h60 r90
  text "STATUS" at 2018,2407 h60 r90
  text "BMS CONNECTED" at 2180.33,2406 h60 r90
  text "CHARGER ENABLED" at 2342.67,2406 h60 r90
  text "HV ENABLED" at 2505,2406 h60 r90
Mechanical 13:
  the board outline again, w10